# Altium PCB Kasli-DIOT.PCBDOC (part 12 of 21)
Units mm, origin at the board's own origin, x right, y up, seen from the top; angles counter-clockwise.
Board outline 222.34 x 100 mm, 10 copper layers (TopLayer, Layer 2, Layer 3, Layer 4, Layer 5, Layer 6, Layer 7, layer 8, Layer 9, BottomLayer), stack 1.564 mm thick; 974 components, 908 nets, 4662 pads, 2649 vias.
Unrouted connection lines stored in the file: 17.
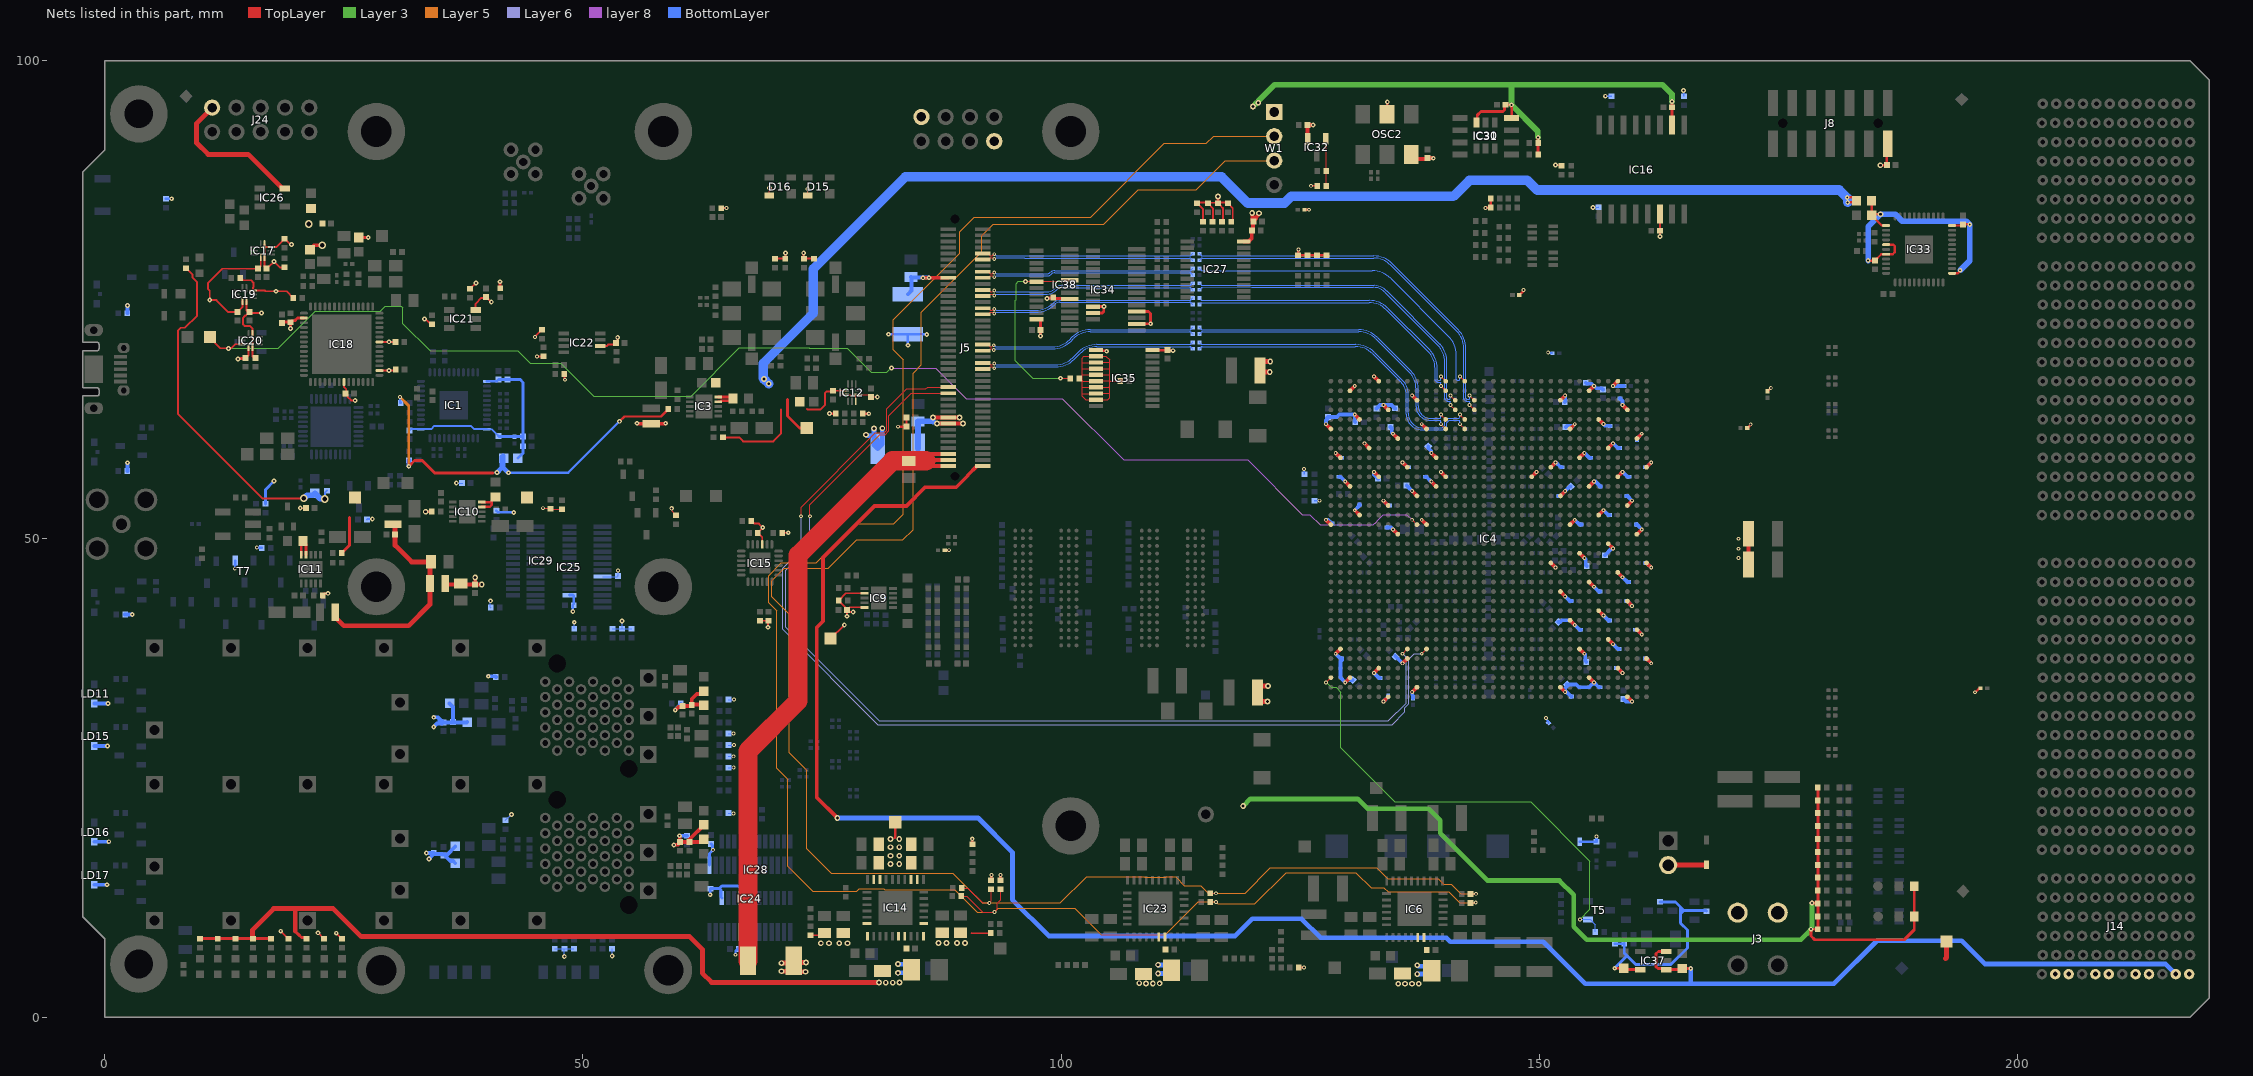
[diagram p20: the nets of this part, all layers, seen from the top]

## Via types
v1: diameter 0.4, hole 0.2, TopLayer to BottomLayer, tented both sides, 1661 vias
v2: diameter 0.5, hole 0.2, TopLayer to BottomLayer, tented both sides, 516 vias
v3: diameter 0.6, hole 0.3, TopLayer to BottomLayer, tented both sides, 175 vias
v4: diameter 0.6, hole 0.3, TopLayer to BottomLayer, 113 vias
v5: diameter 0.5, hole 0.2, TopLayer to BottomLayer, 110 vias
v6: diameter 0.4, hole 0.2, TopLayer to BottomLayer, 67 vias
v7: diameter 0.8, hole 0.5, TopLayer to BottomLayer, tented both sides, 7 vias

## Nets (pads, with @x,y where several pads share a name; then routed paths per layer and width w, separated by ;. In a path a pad name is that pad's centre, name@x,y a point inside that pad or via, vN(x,y) a via of type N, cw(c..) or ccw(c..) an arc to the next point about the centre after c; other vN are vias at no path point) (continued)
P2V5: C31.2 C33.2 C34.2 C35.2 C37.2 C39.2 C52.2 C57.2 C58.2 C59.2 C60.2 C61.2 C62.2 C64.2 C65.2 C66.2 C67.2 C68.2 C69.2 C75.2 C76.2 C78.2 C79.2 C80.2 C81.2 C82.2 C83.2 C84.2 C85.2 C87.2 C88.2 C89.2 C90.2 C93.2 C94.2 C125.2 C126.2 C127.2 C128.2 C129.2 C136.2 C138.2 C139.2 C140.2 C146.2 C147.2 C148.2 C149.2 C194.2 C195.2 C196.2 C200.1 C201.1 C203.1 C204.2 C217.2 C218.2 C219.2 C238.2 C245.1 C295.1 C296.2 C297.1 C299.2 C300.1 C301.2 C308.2 C309.2 C310.2 C311.2 C422.1 C428.2 C429.2 C430.2 C431.2 C432.2 C433.2 D15.4 D16.4 D17.1 F1.1 IC4.A6 IC4.A31 IC4.AA31 IC4.AB28 IC4.AC25 IC4.AD32 IC4.AE29 IC4.AF26 IC4.AG33 IC4.AH30 IC4.AJ27 IC4.AK34 IC4.AL31 IC4.AM28 IC4.AN25 IC4.AP32 IC4.B3 IC4.B28 IC4.C10 IC4.C25 IC4.D7 IC4.D32 IC4.E4 IC4.E29 IC4.F1 IC4.F11 IC4.F26 IC4.G8 IC4.G33 IC4.H5 IC4.H30 IC4.J2 IC4.J12 IC4.J27 IC4.K9 IC4.K24 IC4.K34 IC4.L6 IC4.L13 IC4.L22 IC4.L31 IC4.M3 IC4.M12 IC4.M28 IC4.N10 IC4.N25 IC4.P7 IC4.P32 IC4.R4 IC4.R29 IC4.T1 IC4.T11 IC4.T26 IC4.U8 IC4.U33 IC4.V30 IC4.W27 IC4.Y24 IC4.Y34 IC14.8 IC14.9 IC14.14 IC14.15 IC16.14 IC17.6 IC19.6 IC20.6 IC32.2 J8.2 OSC2.2 OSC2.6 R1.1 R34.2 R35.2 R41.2 R42.2 R49.2 R50.2 R52.1 R56.1 R57.2 R58.2 R61.2 R94.2 R95.2 R96.2 R139.1 R150.2 R162.2 R163.2 R164.2 R165.2 R170.2 R171.2 R210.1 R253.1 R289.2 T7.1 TP8.1 TP32.1 | length 165.1
  TopLayer w0.095: v2(20.443,53.234) 20.468,53.209 20.639,53.209 20.651,53.198 C296.2@21.05,53.198
  TopLayer w0.125: D16.4@69.5,85.9 v2(69.5,86.7) ; D15.4@73.5,85.9 v2(73.5,86.6)
  TopLayer w0.15: v1(126.125,86.925) 126.73,86.925 R61.2@126.755,86.9 ; OSC2.2@134.072,94.4 OSC2.2@134.1,94.428 ; v2@151.8,89.065 152.283,89.065 R42.2@152.333,89.015
  TopLayer w0.2: C219.2@13.861,73.711 12.933,73.711 11.669,74.975 v2(10.975,74.975) 10.975,75.968 10.775,76.168 10.775,76.75 12.276,78.251 16.052,78.251 16.31,78.509 IC17.6@16.31,79.437 ; C219.2@13.866,73.734 14.408,74.277 14.408,74.562 14.405,74.565 IC19.6@14.405,74.862 ; C218.2@14.732,68.903 15.04,69.211 IC20.6@15.04,70.039 ; R58.2@64.47,84.575 64.495,84.6 v1(65,84.6) ; R35.2@70.1,79.32 R34.2@71.15,79.32 71.191,79.361 v2(71.191,79.886) ; v2(73.075,79.897) 73.075,79.345 R41.2@73.1,79.32 R50.2@74.15,79.32 ; v5(162.6,81.625) C204.2@162.6,82.225 162.6,83.97 IC16.14@162.605,83.975
  TopLayer w0.254: R56.1@22.771,44.088 22.771,44.108 22.934,44.271 23.236,44.271 23.285,44.319 v5(23.351,44.319) ; v3(33.55,52.85) R253.1@34.18,52.85 ; 82.6,18.775 82.65,18.825 TP8.1@82.65,20.375 ; C422.1@87.825,48.825 87.826,48.826 v6(88.281,48.828) v6(88.281,48.828) ; v2(90.7,18.65) 90.713,18.637 90.713,18.112 R49.2@90.725,18.1 ; R162.2@124.76,79.665 ccw(c124.589,79.836) R162.2@124.776,79.683 ; v1(124.806,80.258) 124.783,80.235 124.783,79.69 R162.2@124.776,79.683 ; C245.1@125.45,84.425 v6(125.925,84.425) ; R165.2@127.76,79.665 127.743,79.683 R162.2@124.776,79.683 ; OSC2.2@134.1,94.428 v2(134.1,95.675) ; v1(144.375,84.6) 144.397,84.622 144.911,84.622 144.932,84.643 144.932,85.616 R171.2@144.935,85.618 ; C203.1@147.9,75.498 v1@148.294,75.892 ; v1@148.294,75.892 ccw(c148.165,76.02) v1(148.347,76.02) ; C297.1@171.725,61.6 171.75,61.6 172.064,61.914 172.064,61.96 v1(172.092,61.988) ; C300.1@173.842,65.452 173.852,65.452 v1(174.2,65.8) ; v4(185.65,89.075) 185.653,89.078 186.323,89.078 C52.2@186.326,89.081 186.326,91.226 J8.2@186.425,91.325 ; v1(195.55,33.975) 195.589,33.975 195.942,34.327 196.052,34.327 C295.1@196.125,34.4
  TopLayer w0.3: v2(13.925,68.825) 13.963,68.863 14.692,68.863 C218.2@14.732,68.903
  TopLayer w0.4: IC32.2@125.775,91.85 125.758,91.867 125.758,93.244 C196.2@125.74,93.262 125.749,93.27 126.34,93.27 v5(126.349,93.279) ; v1(127.7,52) IC4.T1@128.2,51.5 ; v1(127.7,62) IC4.F1@128.2,61.5 ; v1(128.7,59) IC4.J2@129.2,58.5 ; v1(129.7,56) IC4.M3@130.2,55.5 ; IC4.B3@130.2,65.5 v1(130.7,66) ; v1(130.7,53) IC4.R4@131.2,52.5 ; v1(130.7,63) IC4.E4@131.2,62.5 ; v1(131.7,60) IC4.H5@132.2,59.5 ; v1(132.7,57) IC4.L6@133.2,56.5 ; v1(132.7,67) IC4.A6@133.2,66.5 ; v1(133.7,54) IC4.P7@134.2,53.5 ; v1(133.7,64) IC4.D7@134.2,63.5 ; v1(134.7,51) IC4.U8@135.2,50.5 ; v1(134.7,61) IC4.G8@135.2,60.5 ; v1(135.7,58) IC4.K9@136.2,57.5 ; OSC2.6@136.6,90.188 OSC2.6@136.612,90.2 ; OSC2.6@136.66,89.733 C238.2@138.334,89.733 ; v1(136.7,55) IC4.N10@137.2,54.5 ; v1(136.7,65) IC4.C10@137.2,64.5 ; v1(137.7,52) IC4.T11@138.2,51.5 ; v1(137.7,62) IC4.F11@138.2,61.5 ; C238.2@138.305,89.833 138.318,89.82 138.899,89.82 v2(138.912,89.807) ; v1(138.7,56) IC4.M12@139.2,55.5 ; v1(138.7,59) IC4.J12@139.2,58.5 ; v1(139.7,57) IC4.L13@140.2,56.5 ; IC4.L22@149.2,56.5 v1(149.7,57) ; IC4.Y24@151.2,47.5 v1(151.7,47) ; IC4.K24@151.2,57.5 v1(151.7,58) ; IC4.AN25@152.2,34.5 v1(152.7,34) ; IC4.AC25@152.2,44.5 v1(152.7,44) ; IC4.N25@152.2,54.5 v1(152.7,55) ; IC4.C25@152.2,64.5 v1(152.7,65) ; IC4.AF26@153.2,41.5 v1(153.7,41) ; IC4.T26@153.2,51.5 v1(153.7,52) ; IC4.F26@153.2,61.5 v1(153.7,62) ; IC4.AJ27@154.2,38.5 v1(154.7,38) ; IC4.W27@154.2,48.5 v1(154.7,48) ; IC4.J27@154.2,58.5 v1(154.7,59) ; IC4.AM28@155.2,35.5 v1(155.7,35) ; IC4.AB28@155.2,45.5 v1(155.7,45) ; IC4.M28@155.2,55.5 v1(155.7,56) ; IC4.B28@155.2,65.5 v1(155.7,66) ; IC4.AE29@156.2,42.5 v1(156.7,42) ; IC4.R29@156.2,52.5 v1(156.7,53) ; IC4.E29@156.2,62.5 156.209,62.5 v1(156.691,62.018) ; IC4.AH30@157.2,39.5 v1(157.7,39) ; IC4.V30@157.2,49.5 v1(157.7,49) ; IC4.H30@157.2,59.5 v1(157.7,60) ; v1(157.7,66) IC4.A31@158.2,66.5 ; IC4.AL31@158.2,36.5 v1(158.7,36) ; IC4.AA31@158.2,46.5 v1(158.7,46) ; IC4.L31@158.2,56.5 v1(158.7,57) ; v1(158.7,64) IC4.D32@159.2,63.5 ; IC4.AP32@159.2,33.5 v1(159.7,33) ; IC4.AD32@159.2,43.5 v1(159.7,43) ; IC4.P32@159.2,53.5 v1(159.7,54) ; IC4.AG33@160.2,40.5 v1(160.7,40) ; IC4.U33@160.2,50.5 v1(160.7,51) ; IC4.G33@160.2,60.5 v1(160.7,61) ; IC4.AK34@161.2,37.5 v1(161.7,37) ; IC4.Y34@161.2,47.5 v1(161.7,47) ; IC4.K34@161.2,57.5 v1(161.7,58) ; C65.2@171.875,47.315 C84.2@171.875,50.54
  TopLayer w0.5: C129.2@120.936,67.074 120.936,67.262 121.125,67.452 v3(121.814,67.452) ; C129.2@120.936,68.252 120.936,68.358 121.125,68.548 v3(121.865,68.548)
  BottomLayer w0.15: v1(125.4,57.3) 125.429,57.271 R1.1@125.429,56.783 ; R210.1@126.47,53.986 126.484,54 v1(127,54) ; v2(155.594,84.65) 155.965,84.65 R96.2@156.2,84.67 ; v2(156.893,96.297) 157.548,96.297 R95.2@157.55,96.295 ; v2(165.075,96.9) 165.075,96.51 R94.2@165.1,96.295
  BottomLayer w0.2: v6(150.7,31.275) 150.738,31.237 150.738,31.128 150.953,30.914 C200.1@150.953,30.772 ; v6@150.996,69.434 151.001,69.429 151.346,69.429 C201.1@151.35,69.425
  BottomLayer w0.254: R289.2@6.4,85.57 6.402,85.572 6.997,85.572 v5(7,85.575) ; v1(13.6,46.892) 13.625,46.917 13.625,47.725 T7.1@13.65,47.75 ; v1(15.9,49.1) 15.913,49.087 16.417,49.087 R57.2@16.43,49.075 ; v2(81.936,71.404) 83.96,71.404 F1.1@83.973,71.391 ; v2(83.973,70.25) F1.1@83.973,71.391 ; v2(85.948,71.391) F1.1@83.973,71.391
  BottomLayer w0.3: R139.1@16.8,53.67 16.8,55.15 v2(17.7,56.05) ; D17.1@154.23,18.345 R150.2@155.975,18.345 v6(155.975,18.875)
  BottomLayer w0.4: v1(127.7,52) 127.925,52 128.325,51.6 C309.2@128.35,51.6 ; v1(127.7,62) 127.7,62.406 127.79,62.496 127.79,62.64 C31.2@127.9,62.75 128.825,62.75 129.075,63 v1(130.7,63) 130.7,62.25 C37.2@130.75,62.2 ; v1(128.7,59) 129.2,58.5 C82.2@129.35,58.5 ; C310.2@129.025,56.5 129.2,56.5 129.5,56.2 v1(129.7,56) ; v1(130.7,53) 131.2,53.5 C80.2@131.2,53.6 ; v1(132.7,57) 132.7,56.736 C35.2@133.112,56.325 ; C79.2@132.975,63.625 133.35,64 v1(133.7,64) 134.329,64 134.545,64 134.79,63.755 134.79,63.735 134.88,63.645 R52.1@134.9,63.645 ; v1(133.7,54) 134.2,53.5 C68.2@134.35,53.5 ; C62.2@134.05,51.2 134.5,51.2 v1(134.7,51) ; C39.2@134.45,61.7 134.56,61.59 134.56,61.14 v1(134.7,61) ; v1(135.7,58) 135.713,58 136.213,57.5 C138.2@136.35,57.5 ; C57.2@136.132,55.602 136.313,55.421 136.313,55.387 v1(136.7,55) ; C125.2@138.05,56.5 C125.2@138.075,56.5 138.179,56.5 138.679,56 v1(138.7,56) ; C93.2@138.382,59.682 138.382,59.526 138.7,59.208 v1(138.7,59) ; v1(151.7,58) 151.736,58 152.236,57.5 C311.2@152.4,57.5 ; C66.2@151.988,41.303 152.144,41.303 152.34,41.5 153.2,41.5 v1(153.7,41) 154.2,40.5 C140.2@154.338,40.5 ; C148.2@152,54.5 152.2,54.5 v1(152.7,55) 153.182,55.482 C67.2@153.282,55.482 ; C85.2@152.65,64.3 152.7,64.35 v1(152.7,65) ; v1(152.7,44) 153.2,43.5 C76.2@153.35,43.5 ; C58.2@152.75,61.7 152.86,61.81 153.51,61.81 v1(153.7,62) ; C94.2@152.884,34.772 152.893,34.762 152.893,34.626 152.7,34.433 v1(152.7,34) 152.85,34 153.325,33.525 C432.2@153.35,33.525 ; C94.2@152.893,34.782 153.849,34.782 154.131,34.5 155.2,34.5 v1(155.7,35) 156.2,34.5 C147.2@156.35,34.5 ; v1(153.7,52) 154.2,51.5 C127.2@154.4,51.5 ; v1(154.7,38) 154.79,37.91 154.79,37.26 C34.2@154.9,37.15 ; v1(154.7,48) 154.84,47.86 154.84,47.285 C59.2@154.95,47.175 ; v1(154.7,59) 155.2,58.5 C64.2@155.4,58.5 ; C429.2@154.85,66.333 154.96,66.223 155.477,66.223 v1(155.7,66) 155.948,65.752 156.525,65.752 C428.2@156.635,65.642 ; v1(155.7,45) 156.2,44.5 C83.2@156.35,44.5 ; v1(155.7,56) 155.875,56 156.375,55.5 C89.2@156.4,55.5 ; v1(156.691,62.018) 156.874,61.835 157.381,61.835 C431.2@157.406,61.81 ; v1(156.7,42) 157.213,41.487 C308.2@157.35,41.487 ; v1(156.7,53) 157.2,52.5 C69.2@157.35,52.5 ; C78.2@156.85,48.3 157.55,49 v1(157.7,49) ; v1(157.7,39) 158.2,38.5 C146.2@158.35,38.5 ; v1(157.7,60) 158.2,59.5 C90.2@158.375,59.5 ; v1(157.7,66) C430.2@158.85,66 ; C60.2@158.05,36.5 158.2,36.5 v1(158.7,36) ; C433.2@158.439,64.688 158.464,64.688 158.489,64.663 158.489,64.638 158.7,64.427 v1(158.7,64) ; v1(158.7,46) 159.2,45.5 C126.2@159.362,45.5 ; v1(158.7,57) 159.2,56.5 C149.2@159.4,56.5 ; C33.2@158.8,33.25 159.05,33 v1(159.7,33) ; C128.2@159.1,43.5 159.2,43.5 v1(159.7,43) ; C87.2@159.1,54.5 159.2,54.5 v1(159.7,54) ; C139.2@160.035,40.5 160.2,40.5 v1(160.7,40) ; C88.2@160.1,51.5 160.2,51.5 v1(160.7,51) ; C81.2@160.2,60.35 160.2,60.5 v1(160.7,61) ; C61.2@161.05,37.5 161.2,37.5 v1(161.7,37) ; C75.2@161.05,57.5 161.2,57.5 v1(161.7,58) ; C136.2@161.1,47.5 161.2,47.5 v1(161.7,47)
  other v1: 170.825,48.025 170.825,48.975 170.825,50.025
  other v2: 151.7,89.09
  other v3: 82.15,16.025 83.075,16.025 82.15,16.875 83.075,16.875 82.15,17.775 83.075,17.775 82.15,18.625 83.075,18.625
  other v6: 150.921,69.484
P2V5_CLK_Si1: C406.2 C407.2 C408.2 IC33.12 IC33.16 IC33.18 IC33.34 IC33.44 L9.1 | length 32.3
  TopLayer w0.254: v2(184.38,79.112) 184.393,79.1 C408.2@185.075,79.1 185.741,79.766 186.241,79.766 IC33.18@186.25,79.775 186.95,79.775 187.175,80 187.175,80.6 187.009,80.766 186.259,80.766 IC33.16@186.25,80.775 ; L9.1@184.743,85.349 184.75,85.342 C406.2@184.75,83.975 ; v3(185.669,83.946) 184.846,83.946 C406.2@184.75,83.85 184.75,83.825 185.791,82.784 186.241,82.784 IC33.12@186.25,82.775 ; IC33.34@193.15,77.775 193.159,77.784 193.759,77.784 194,78.025 v2(194,78.1) ; IC33.44@193.15,82.775 194.175,82.775 C407.2@194.3,82.9 194.982,82.9 v2(194.995,82.888)
  BottomLayer w0.6: v2(184.38,79.112) 184.38,82.658 v3(185.669,83.946) 187.229,83.946 187.95,83.225 194.657,83.225 v2(194.995,82.888) 194.995,79.095 v2(194,78.1)
P2V5_fused: C423.2 F1.2 J5.18 | length 6.5
  TopLayer w0.4: v5@85.506,77.302 J5.18@88.2,77.302
  BottomLayer w0.4: F1.2@83.973,75.591 84.346,75.963 C423.2@84.346,77.354 ; C423.2@84.3,77.4 C423.2@84.346,77.354 ; v5(86.167,77.307) 86.148,77.326 84.374,77.326 C423.2@84.346,77.354
  other v5: 85.556,77.304
P2V5_LDO: C16.2 C29.2 IC3.9 IC3.10 IC12.6 L9.2 L36.1 L37.1 R248.2 TP4.1 | length 154.2
  TopLayer w0.2: R248.2@64.65,60.63 66.327,60.63 66.75,60.207 69.907,60.207 70.7,61 70.7,63.529 ; 73.404,63.596 73.45,63.55 74.85,63.55 75.325,64.025 75.325,65.283 75.442,65.4 76.125,65.4 76.225,65.5 IC12.6@77.425,65.5
  TopLayer w0.254: v2(182.193,85.712) 182.812,85.712 183.159,85.365 L9.2@183.143,85.349 182.986,85.192 v2(182.237,85.192)
  TopLayer w0.3: IC3.9@64.15,64.35 64.4,64.35 64.5,64.45 65.54,64.45 65.69,64.6 65.69,64.605 65.485,64.81 65.349,64.81 65.309,64.85 IC3.10@64.15,64.85 ; 71.4,64.6 71.4,62.85 72.65,61.6 TP4.1@73.4,61.6
  BottomLayer w1: v4(69.425,66.225) v4(68.925,66.725) 68.85,66.8 68.85,68.375 74.075,73.6 74.075,78.225 83.7,87.85 116.775,87.85 119.5,85.125 123.35,85.125 124.05,85.825 141,85.825 142.675,87.5 148.75,87.5 149.762,86.488 181.353,86.488 182.237,85.603 v2(182.237,85.192)
P3V3: C28.2 C96.2 C109.2 C160.2 C161.2 C172.2 C178.2 C185.2 C186.2 C192.2 C193.2 C197.2 C198.2 C221.2 C227.2 C244.2 C259.2 C266.2 C267.2 C276.2 C292.2 C298.2 C305.2 C306.2 C307.2 C312.2 C315.2 C316.2 C317.2 C318.2 C389.2 C390.2 C427.2 F4.1 IC4.AJ2 IC4.AK9 IC4.AL6 IC4.AM3 IC4.AN10 IC4.AP7 IC9.7 IC9.10 IC12.1 IC12.7 IC12.10 IC14.22 IC14.23 IC15.21 IC16.2 IC22.2 IC24.9 IC24.15 IC25.9 IC27.20 IC28.21 IC28.24 IC29.24 IC30.6 IC31.8 IC34.9 IC34.16 IC34.18 IC35.1 IC35.20 IC38.2 IC38.3 IC38.24 L3.1 L19.1 L20.1 L21.1 L30.1 L31.1 L32.1 L33.1 L34.1 LD11.2 LD15.2 LD16.2 LD17.2 R11.2 R20.2 R44.2 R55.2 R62.2 R66.2 R73.2 R75.2 R76.2 R77.2 R78.2 R79.2 R81.2 R83.2 R84.2 R85.2 R87.2 R92.2 R127.2 R131.1 R132.1 R133.2 R134.2 R135.2 R136.2 R137.2 R138.2 R144.2 R145.2 R148.2 R149.2 R151.2 R158.2 R159.2 R174.2 R176.2 R177.2 R178.2 R179.2 R180.2 R181.2 R182.2 R183.2 R184.2 R185.2 R186.2 R187.2 R188.2 R189.2 R190.2 R191.2 R192.2 R209.2 R212.2 R217.2 R218.2 R219.2 R225.2 R226.2 R244.2 R245.2 R264.2 R265.2 R295.2 R296.2 R300.2 TP7.1 TP31.1 W1.1 | length 323.3
  TopLayer w0.125: v1(45.806,53.219) 46.536,53.219 R189.2@46.6,53.155 46.625,53.13 R190.2@47.825,53.13 ; v2(59.278,53.204) 59.328,53.153 59.328,52.885 59.499,52.714 59.499,52.694 59.726,52.467 R151.2@59.746,52.467 ; IC12.7@77.425,65.1 IC12.1@78.56,65.1 ; IC12.10@78.525,64.4 78.525,65.065 IC12.1@78.56,65.1 ; v2(80.777,64.852) 80.373,64.852 80.125,65.1 IC12.1@78.775,65.1 IC12.1@78.56,65.1
  TopLayer w0.15: R62.2@73.777,8.56 C390.2@75.027,8.56
  TopLayer w0.2: v2(18.4,8.994) R87.2@19.177,8.217 ; v2(22.3,8.819) R55.2@22.902,8.217 ; v2(24.2,8.782) R44.2@24.765,8.217 ; IC22.2@51.8,70.175 52.494,70.175 52.631,70.312 53.362,70.312 53.631,70.581 v2@53.631,71.017 ; R148.2@67.61,51.891 67.61,51.871 67.8,51.681 67.835,51.681 67.917,51.598 68.393,51.598 v5(68.795,51.195) 68.795,51.159 C198.2@68.278,50.642 68.75,50.169 IC15.21@68.75,49.429 IC15.21@68.769,49.448 ; R176.2@68.514,41.447 R177.2@69.4,41.447 69.359,41.406 v2(69.359,40.771) ; R149.2@70.851,50.634 70.868,50.651 v2(71.465,50.651) ; C390.2@75.027,8.56 C390.2@75.252,8.785 ; TP7.1@75.879,39.585 77.294,41 v5(77.325,41) ; v2(77.618,41.917) 77.618,42.573 C172.2@77.619,42.575 ; v2@78.292,42.417 v2(78.249,42.373) 77.821,42.373 C172.2@77.619,42.575 ; IC9.10@79.419,42.825 79.387,42.858 77.902,42.858 C172.2@77.619,42.575 ; IC9.7@79.419,44.325 77.499,44.325 R127.2@76.724,43.55 77.619,42.655 C172.2@77.619,42.575 ; R192.2@114.823,83.179 114.823,84.504 114.244,85.083 R212.2@114.224,85.083 114.305,85.164 115.252,85.164 R191.2@115.333,85.083 115.399,85.149 116.318,85.149 R181.2@116.384,85.083 ; R191.2@115.353,85.083 115.87,84.566 115.87,83.238 R182.2@115.811,83.179 ; R180.2@116.798,83.179 116.908,83.289 116.908,84.594 116.609,84.893 116.574,84.893 R181.2@116.384,85.083 ; R178.2@117.786,83.179 117.935,83.328 117.935,84.593 117.445,85.083 R179.2@117.425,85.083 117.349,85.159 116.461,85.159 R181.2@116.384,85.083
  TopLayer w0.254: v2(75.775,63.125) 75.787,63.113 76.418,63.113 R244.2@76.43,63.1 ; R245.2@79.233,63.113 R245.2@79.245,63.1 79.875,63.1 v2(79.888,63.088) ; v1(82.953,61.739) 82.958,61.744 83.824,61.744 R66.2@83.83,61.75 R225.2@83.83,62.69 ; IC35.1@103.65,69.754 103.727,69.676 104.709,69.676 v2(104.756,69.629) ; IC35.20@109.55,69.754 C186.2@111.101,69.753 ; C186.2@111.101,69.753 111.132,69.721 111.669,69.721 v2(111.7,69.69)
  TopLayer w0.3: R159.2@92.675,14.325 92.689,14.339 92.689,14.836 v1(92.702,14.85) ; v1(93.652,14.85) 93.661,14.842 93.661,14.333 R158.2@93.669,14.325 ; IC38.24@97.436,72.986 97.756,72.986 97.831,72.911 C192.2@97.831,71.852 97.832,71.851 v2(97.833,71.231) v2(97.833,71.231) ; v2@98.45,75.186 98.486,75.186 v2(98.52,75.152) 98.558,75.19 99.101,75.19 C427.2@99.174,75.263 99.31,75.126 100.846,75.126 IC34.9@100.886,75.086 ; IC38.2@103.336,73.636 104.312,73.636 104.45,73.773 104.45,74.254 v2@104.484,74.289 ; IC38.3@103.336,74.286 103.34,74.289 v2@104.484,74.289 ; v2(104.488,74.293) v2@104.484,74.289 ; IC34.16@107.886,72.486 107.897,72.496 109.345,72.496 v2(109.355,72.506) 109.355,73.569 109.138,73.786 IC34.18@107.886,73.786 ; R181.2@116.384,85.083 116.391,85.09 116.391,85.795 v3(116.397,85.801) ; IC30.6@143.425,93.525 143.506,93.606 143.506,94.306 143.882,94.682 146.167,94.682 146.343,94.858 146.343,95.293 C307.2@146.449,95.399 ; C307.2@146.49,95.514 146.607,95.397 v2@147.074,95.397 ; v2(147.08,95.39) 147.108,95.362 IC31.8@147.108,94.013 ; R264.2@149.87,90.2 v2(149.871,91.988) ; IC16.2@163.875,93.275 163.866,93.284 163.866,95.127 C161.2@163.856,95.136 163.866,95.146 163.866,95.739 v2(163.876,95.749) ; v5(178.5,11.95) 178.519,11.931 179.082,11.931 R75.2@179.125,11.888 ; R85.2@179.125,24.023 R92.2@179.125,22.674 R83.2@179.125,21.326 R84.2@179.125,19.978 R77.2@179.125,18.629 R73.2@179.125,17.281 R79.2@179.125,15.933 R81.2@179.125,14.584 R76.2@179.125,13.236 R75.2@179.125,11.888 ; R296.2@189.192,13.672 R295.2@189.192,10.526 189.192,9.138 188.154,8.1 178.794,8.1 178.4,8.494 v2(178.4,9.2) 178.405,9.195 179.12,9.195 R78.2@179.125,9.191 R75.2@179.125,11.888
  TopLayer w0.4: v2(55.65,62.1) 55.677,62.1 55.727,62.05 L3.1@57.15,62.05 58.573,62.05 58.623,62.1 v2(58.65,62.1) ; v2(59.5,18) 59.519,18.019 59.869,18.019 C244.2@60.15,18.3 ; v2(59.65,32.1) 59.99,32.44 60.29,32.44 C259.2@60.4,32.55 61.1,32.55 C276.2@61.325,32.775 ; v2(60.104,18.968) 60.123,18.949 60.123,18.327 C244.2@60.15,18.3 ; C160.2@61.15,18.2 C160.2@61.15,18.3 ; C276.2@61.374,32.643 61.374,33.277 61.899,33.802 62.352,33.802 L31.1@62.65,34.1 ; C276.2@61.4,32.7 62.55,32.7 L30.1@62.65,32.6 ; L19.1@62.65,18.6 62.35,18.3 C160.2@61.15,18.3 ; L34.1@62.65,20.1 61.15,18.6 C160.2@61.15,18.3 ; IC27.20@119.086,81.111 119.586,81.111 119.935,81.459 119.935,82.208 120.049,82.322 120.049,83.16 120.086,83.16 C292.2@120.114,83.188 ; v3(119.971,84.086) 120.009,84.048 120.009,83.292 C292.2@120.114,83.188 ; v3(120.679,84.05) 120.679,83.995 120.571,83.888 120.571,83.837 120.404,83.67 120.404,83.478 C292.2@120.114,83.188 ; v1(128.7,38) IC4.AJ2@129.2,38.5 ; v1(129.7,35) IC4.AM3@130.2,35.5 ; v1(132.7,36) IC4.AL6@133.2,36.5 ; v1(133.7,33) IC4.AP7@134.2,33.5 ; v1(135.7,37) IC4.AK9@136.2,37.5 ; v1(136.7,34) IC4.AN10@137.2,34.5 ; C244.2@60.15,18.3 C160.2@61.15,18.3
  TopLayer w0.5: C312.2@120.8,33.352 120.8,33.08 120.875,33.005 v3(121.575,33.005) ; C312.2@120.8,34.202 120.8,34.544 120.875,34.618 v3(121.621,34.618)
  Layer 3 w0.5: v3(119.025,22.075) 119.775,22.825 131.014,22.825 132.039,21.8 138.416,21.8 139.624,20.591 139.624,19.238 144.582,14.28 152.1,14.28 153.603,12.778 153.603,9.447 154.95,8.1 177.352,8.1 178.4,9.148 178.4,9.227 178.5,9.327 v5(178.5,11.95)
  Layer 3 w0.6: v3(120.05,95.215) 120.446,95.611 v3(120.603,95.611) 120.603,95.803 122.3,97.5 147.08,97.5 ; v2(149.871,91.988) 149.833,92.026 149.833,92.638 v2(147.08,95.39) 147.08,97.5 ; v2(163.876,95.749) 163.876,96.497 162.873,97.5 147.08,97.5
  BottomLayer w0.095: v2(36.76,55.84) C298.2@37.41,55.84
  BottomLayer w0.125: v2(40.322,43.53) 40.322,42.862 R132.1@40.359,42.825 ; R174.2@41.9,20.57 v2(42.53,21.2) ; R187.2@47.052,7.135 R144.2@48.052,7.135 ; v2(48.052,6.355) R144.2@48.052,7.135 ; R188.2@49.052,7.135 R144.2@48.052,7.135 ; R138.2@49.086,40.615 v2(49.086,41.295) ; IC25.9@52.047,46.075 53.584,46.075 C227.2@53.659,46.15 53.675,46.166 v1(53.675,46.7) ; v2(53.052,6.405) R218.2@53.052,7.135 ; R186.2@53.086,40.615 R133.2@54.086,40.615 ; v2(54.086,41.42) R133.2@54.086,40.615 ; R185.2@55.086,40.615 R133.2@54.086,40.615 ; R217.2@65.215,21.326 65.241,21.3 v1(65.75,21.3) ; R145.2@65.215,26.078 65.241,26.103 v1(65.761,26.103) ; R183.2@65.215,27.266 65.224,27.275 v1(65.75,27.275) ; R134.2@65.215,28.454 65.219,28.45 v1(65.775,28.45) ; R184.2@65.215,29.642 65.223,29.65 v1(65.75,29.65) ; R135.2@65.215,33.206 65.221,33.2 v1(65.775,33.2)
  BottomLayer w0.2: R209.2@27.42,52.05 27.445,52.075 v5(27.975,52.075)
  BottomLayer w0.254: v1(65.95,6.525) 65.95,6.9 66.475,7.425 IC24.9@66.475,8.9
  BottomLayer w0.3: IC29.24@48.597,44.125 48.962,44.125 49.037,44.05 C305.2@49.037,43.267 ; v2(48.937,42.417) C305.2@48.937,43.067 ; v2(59.65,32.1) 59.688,32.138 59.688,32.243 60.225,32.78 R136.2@60.225,32.8 ; IC24.15@63.225,15.9 63.225,17.125 v1(63.6,17.5) 63.6,17.527 63.55,17.577 63.55,17.969 63.41,18.109 R131.1@63.402,18.109 ; v2(63.3,12.8) 63.313,12.813 63.313,13.413 C306.2@63.325,13.425 ; C306.2@63.325,13.45 64.25,13.45 ; IC28.24@64.525,12.475 64.45,12.55 64.45,13.25 64.25,13.45 ; IC28.21@66.475,12.475 66.469,12.481 66.469,13.456 66.205,13.72 64.52,13.72 64.25,13.45
  BottomLayer w0.4: LD17.2@-1.1,13.85 v2(0.225,13.85) ; LD16.2@-1.1,18.35 v2(0.425,18.35) ; LD15.2@-1.1,28.35 v2(0.275,28.35) ; LD11.2@-1.1,32.8 v2(0.325,32.8) ; R226.2@2.12,42.1 v2(2.875,42.1) ; R11.2@2.37,57.1 v2(2.37,57.97) ; R20.2@2.37,73.6 v2(2.37,74.42) ; v2(33.625,17.175) 33.652,17.175 33.677,17.15 C267.2@34.4,17.15 ; v2(33.9,16.55) 34.29,16.94 34.29,17.04 C267.2@34.4,17.15 ; v2(34.4,30.35) 34.74,30.69 34.94,30.69 ; v2(34.4,31.35) 34.85,31.35 C178.2@35.4,30.8 ; 35,31.1 35,30.75 34.94,30.69 ; C266.2@35.4,17.01 35.29,17.01 35.255,17.045 34.505,17.045 C267.2@34.4,17.15 ; C266.2@35.4,17.025 35.825,17.025 L32.1@36.65,17.85 ; C266.2@35.681,17.025 35.681,16.778 36.134,16.325 36.425,16.325 L33.1@36.65,16.1 ; L20.1@36.05,32.8 36.413,32.437 C185.2@36.413,30.838 ; L21.1@37.9,30.85 37.85,30.8 C178.2@35.4,30.8 ; v2(40.1,35.65) 40.82,35.65 R137.2@40.9,35.57 ; v2@60.077,18.968 v2(60.104,18.968) 60.105,18.967 R219.2@60.9,18.966 R219.2@60.9,18.966 ; v1(128.7,38) 129.2,37.5 C318.2@129.325,37.5 ; C318.2@129.35,37.5 129.35,37.357 129.2,37.207 129.2,35.5 v1(129.7,35) 129.968,35.268 C96.2@130.482,35.268 ; v1(132.7,36) 133.225,35.475 C316.2@133.35,35.475 ; v1(133.7,33) 134.175,33.475 C315.2@134.175,33.6 ; C109.2@134.935,37.765 v1(135.7,37) ; v1(136.7,34) 136.7,33.703 136.8,33.603 C317.2@136.8,33.35 ; 34.94,30.69 35.29,30.69 C178.2@35.4,30.8